# Altium PCB STB_LightBoard.PcbDoc (part 11 of 31)
Units mm, origin at the board's own origin, x right, y up, seen from the top; angles counter-clockwise.
Board outline 348 x 348 mm, 2 copper layers (Top Layer, Bottom Layer), stack 1.672 mm thick; 3807 components, 3391 nets, 11616 pads, 2553 vias.
Unrouted connection lines stored in the file: 68.
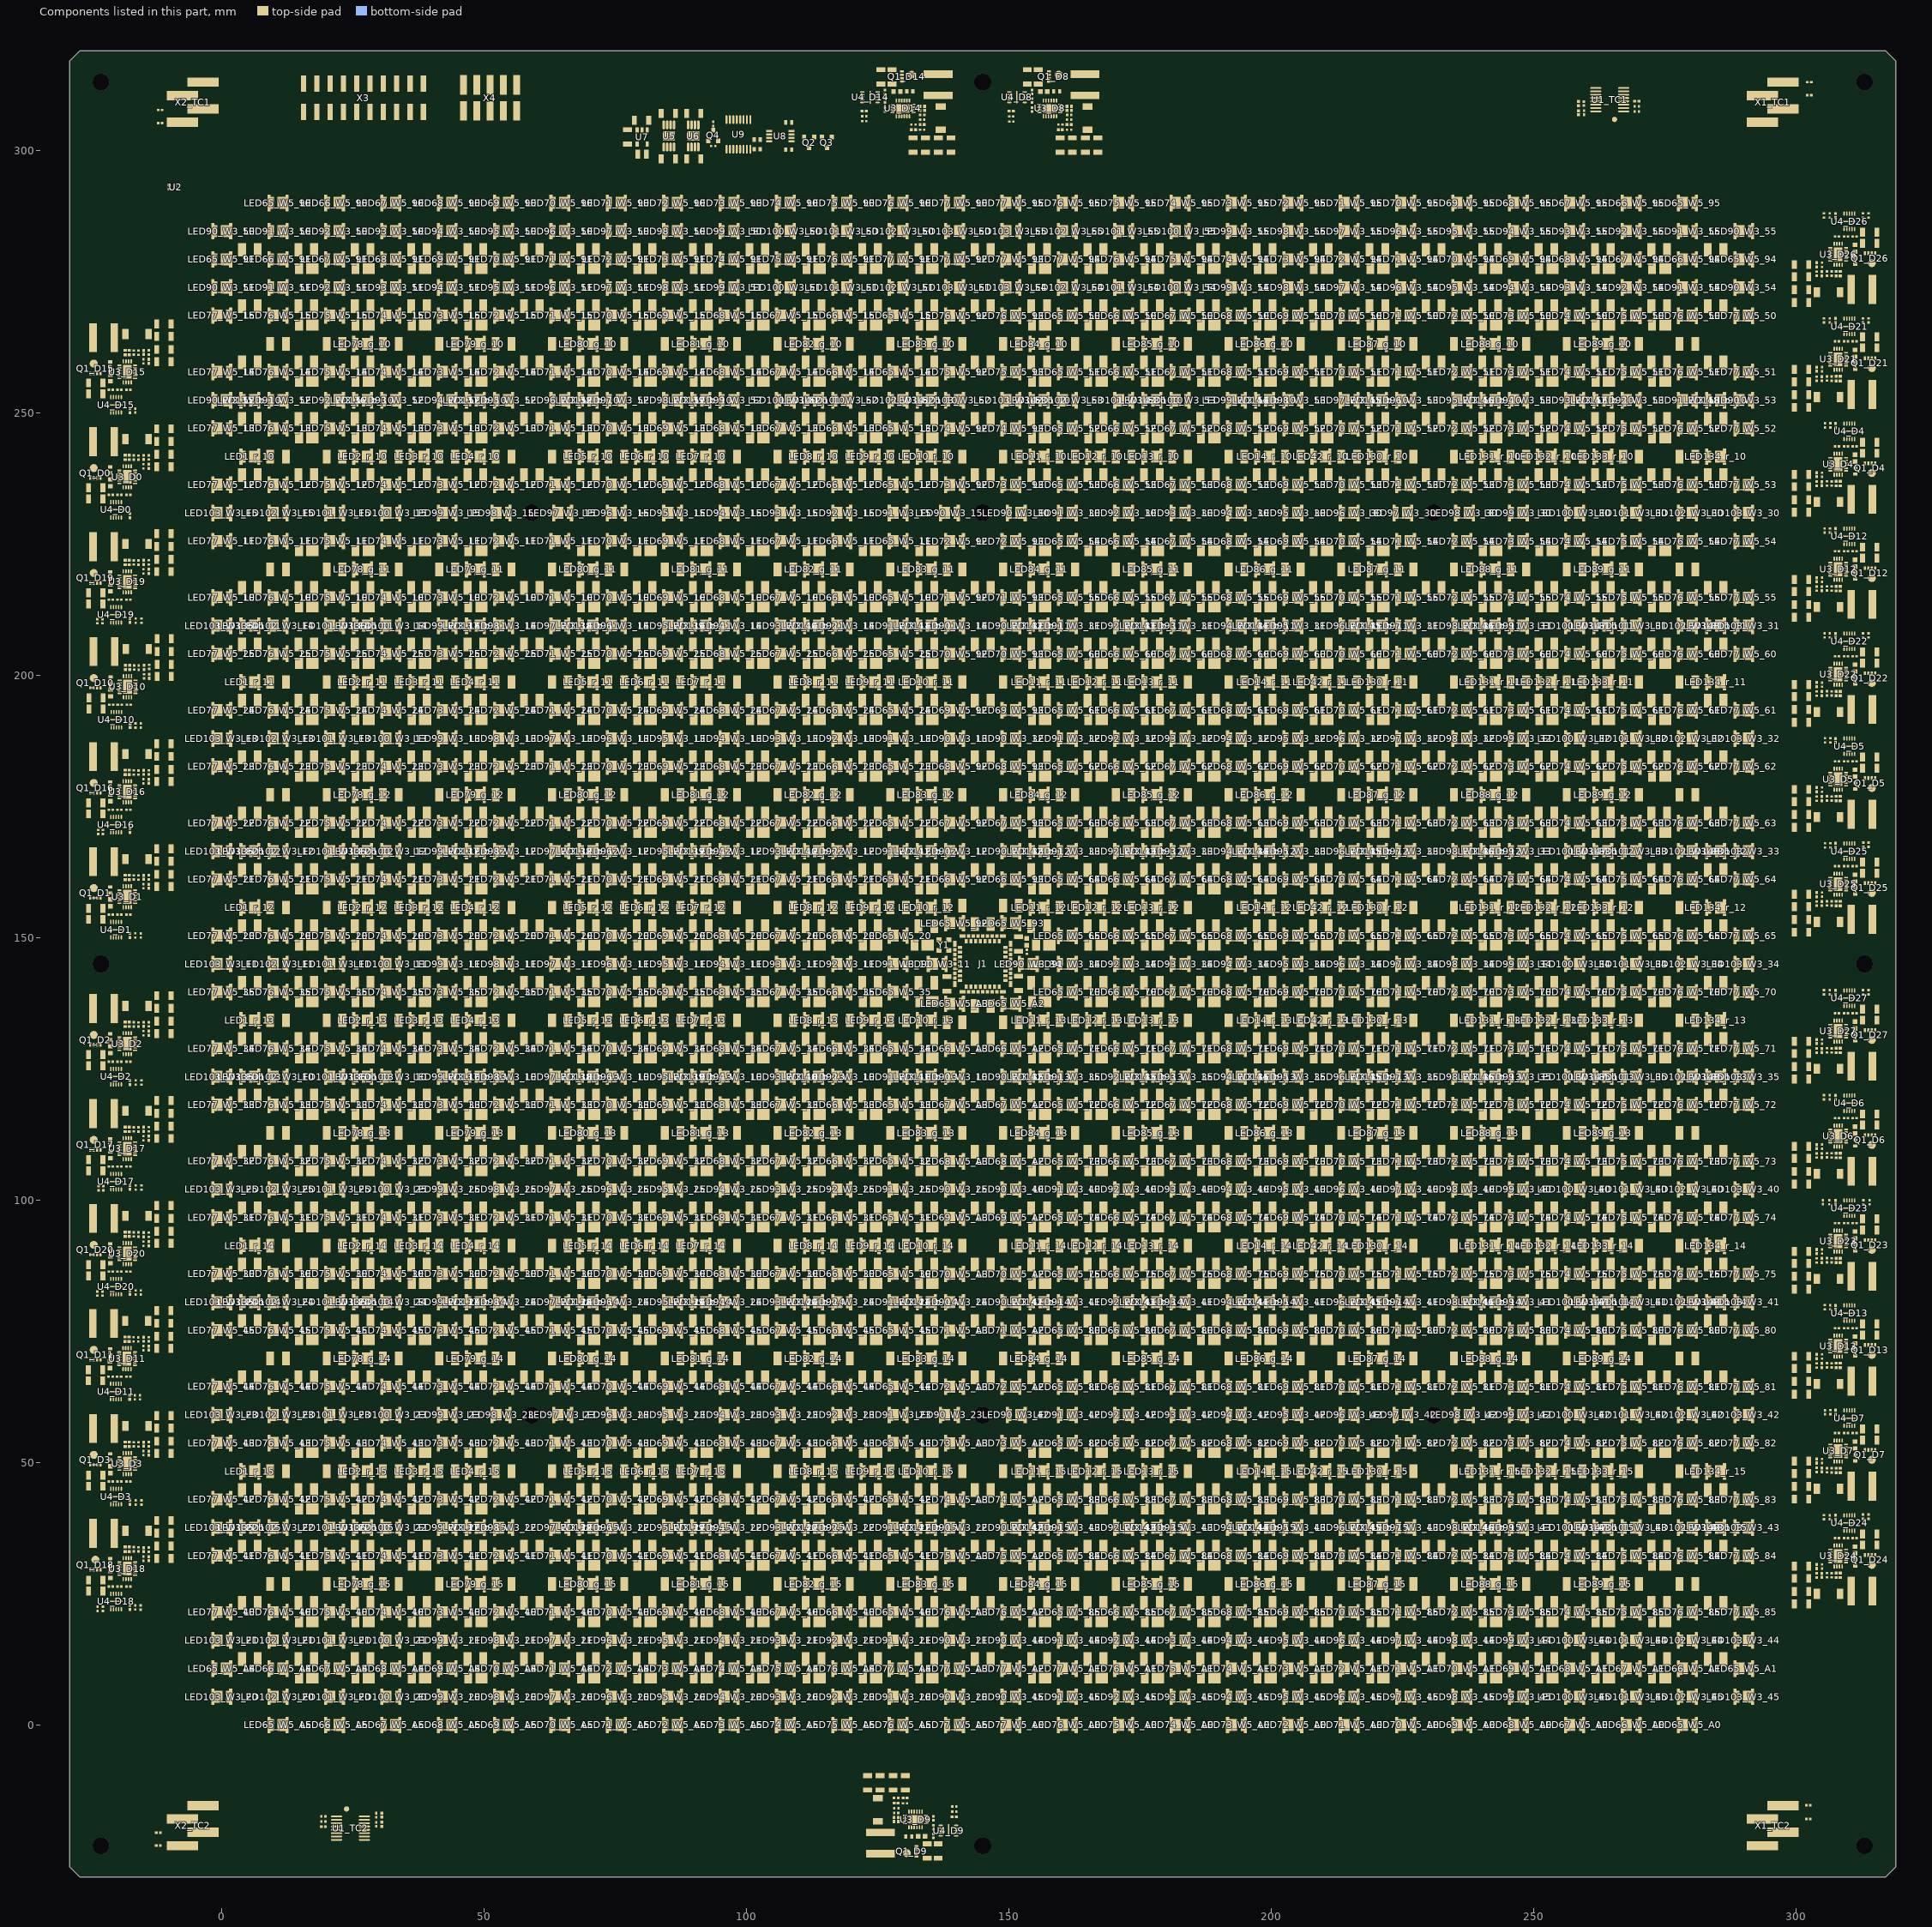
[diagram p11: the components of this part, seen from the top]

## Components (designator, comment, footprint, x,y, rotation, side; value= is the part's Value field where it differs from the comment) (continued)
R56_D8 "4k7" RESC1005X40X25LL05T10 154.389,311.125 r90 top value="4.7 kOhm" (schematic designator R56)
R56_D9 "4k7" RESC1005X40X25LL05T10 135.611,-21.125 r270 top value="4.7 kOhm" (schematic designator R56)
R56_D10 "4k7" RESC1005X40X25LL05T10 -21.067,194.389 r180 top value="4.7 kOhm" (schematic designator R56)
R56_D11 "4k7" RESC1005X40X25LL05T10 -21.167,66.389 r180 top value="4.7 kOhm" (schematic designator R56)
R56_D12 "4k7" RESC1005X40X25LL05T10 311.125,223.611 r0 top value="4.7 kOhm" (schematic designator R56)
R56_D13 "4k7" RESC1005X40X25LL05T10 311.125,75.611 r0 top value="4.7 kOhm" (schematic designator R56)
R56_D14 "4k7" RESC1005X40X25LL05T10 126.389,311.125 r90 top value="4.7 kOhm" (schematic designator R56)
R56_D15 "4k7" RESC1005X40X25LL05T10 -21.125,254.389 r180 top value="4.7 kOhm" (schematic designator R56)
R56_D16 "4k7" RESC1005X40X25LL05T10 -21.125,174.389 r180 top value="4.7 kOhm" (schematic designator R56)
R56_D17 "4k7" RESC1005X40X25LL05T10 -21.125,106.389 r180 top value="4.7 kOhm" (schematic designator R56)
R56_D18 "4k7" RESC1005X40X25LL05T10 -21.125,26.389 r180 top value="4.7 kOhm" (schematic designator R56)
R56_D19 "4k7" RESC1005X40X25LL05T10 -21.125,214.389 r180 top value="4.7 kOhm" (schematic designator R56)
R56_D20 "4k7" RESC1005X40X25LL05T10 -21.125,86.389 r180 top value="4.7 kOhm" (schematic designator R56)
R56_D21 "4k7" RESC1005X40X25LL05T10 311.125,263.611 r0 top value="4.7 kOhm" (schematic designator R56)
R56_D22 "4k7" RESC1005X40X25LL05T10 311.125,203.611 r0 top value="4.7 kOhm" (schematic designator R56)
R56_D23 "4k7" RESC1005X40X25LL05T10 311.125,95.611 r0 top value="4.7 kOhm" (schematic designator R56)
R56_D24 "4k7" RESC1005X40X25LL05T10 311.125,35.611 r0 top value="4.7 kOhm" (schematic designator R56)
R56_D25 "4k7" RESC1005X40X25LL05T10 311.125,163.611 r0 top value="4.7 kOhm" (schematic designator R56)
R56_D26 "4k7" RESC1005X40X25LL05T10 311.125,283.611 r0 top value="4.7 kOhm" (schematic designator R56)
R56_D27 "4k7" RESC1005X40X25LL05T10 311.125,135.611 r0 top value="4.7 kOhm" (schematic designator R56)
R57_D0 "4k7" RESC1005X40X25LL05T10 -19.5,234.389 r0 top value="4.7 kOhm" (schematic designator R57)
R57_D1 "4k7" RESC1005X40X25LL05T10 -19.5,154.389 r0 top value="4.7 kOhm" (schematic designator R57)
R57_D2 "4k7" RESC1005X40X25LL05T10 -19.5,126.389 r0 top value="4.7 kOhm" (schematic designator R57)
R57_D3 "4k7" RESC1005X40X25LL05T10 -19.5,46.389 r0 top value="4.7 kOhm" (schematic designator R57)
R57_D4 "4k7" RESC1005X40X25LL05T10 309.5,243.611 r180 top value="4.7 kOhm" (schematic designator R57)
R57_D5 "4k7" RESC1005X40X25LL05T10 309.5,183.611 r180 top value="4.7 kOhm" (schematic designator R57)
R57_D6 "4k7" RESC1005X40X25LL05T10 309.5,115.611 r180 top value="4.7 kOhm" (schematic designator R57)
R57_D7 "4k7" RESC1005X40X25LL05T10 309.5,55.611 r180 top value="4.7 kOhm" (schematic designator R57)
R57_D8 "4k7" RESC1005X40X25LL05T10 154.389,309.5 r270 top value="4.7 kOhm" (schematic designator R57)
R57_D9 "4k7" RESC1005X40X25LL05T10 135.611,-19.5 r90 top value="4.7 kOhm" (schematic designator R57)
R57_D10 "4k7" RESC1005X40X25LL05T10 -19.442,194.389 r0 top value="4.7 kOhm" (schematic designator R57)
R57_D11 "4k7" RESC1005X40X25LL05T10 -19.542,66.389 r0 top value="4.7 kOhm" (schematic designator R57)
R57_D12 "4k7" RESC1005X40X25LL05T10 309.5,223.611 r180 top value="4.7 kOhm" (schematic designator R57)
R57_D13 "4k7" RESC1005X40X25LL05T10 309.5,75.611 r180 top value="4.7 kOhm" (schematic designator R57)
R57_D14 "4k7" RESC1005X40X25LL05T10 126.389,309.5 r270 top value="4.7 kOhm" (schematic designator R57)
R57_D15 "4k7" RESC1005X40X25LL05T10 -19.5,254.389 r0 top value="4.7 kOhm" (schematic designator R57)
R57_D16 "4k7" RESC1005X40X25LL05T10 -19.5,174.389 r0 top value="4.7 kOhm" (schematic designator R57)
R57_D17 "4k7" RESC1005X40X25LL05T10 -19.5,106.389 r0 top value="4.7 kOhm" (schematic designator R57)
R57_D18 "4k7" RESC1005X40X25LL05T10 -19.5,26.389 r0 top value="4.7 kOhm" (schematic designator R57)
R57_D19 "4k7" RESC1005X40X25LL05T10 -19.5,214.389 r0 top value="4.7 kOhm" (schematic designator R57)
R57_D20 "4k7" RESC1005X40X25LL05T10 -19.5,86.389 r0 top value="4.7 kOhm" (schematic designator R57)
R57_D21 "4k7" RESC1005X40X25LL05T10 309.5,263.611 r180 top value="4.7 kOhm" (schematic designator R57)
R57_D22 "4k7" RESC1005X40X25LL05T10 309.5,203.611 r180 top value="4.7 kOhm" (schematic designator R57)
R57_D23 "4k7" RESC1005X40X25LL05T10 309.5,95.611 r180 top value="4.7 kOhm" (schematic designator R57)
R57_D24 "4k7" RESC1005X40X25LL05T10 309.5,35.611 r180 top value="4.7 kOhm" (schematic designator R57)
R57_D25 "4k7" RESC1005X40X25LL05T10 309.5,163.611 r180 top value="4.7 kOhm" (schematic designator R57)
R57_D26 "4k7" RESC1005X40X25LL05T10 309.5,283.611 r180 top value="4.7 kOhm" (schematic designator R57)
R57_D27 "4k7" RESC1005X40X25LL05T10 309.5,135.611 r180 top value="4.7 kOhm" (schematic designator R57)
R58_D0 "10k" RESC1005X40X25LL05T05 -16.75,241.479 r270 top value="10 kOhm" (schematic designator R58)
R58_D1 "10k" RESC1005X40X25LL05T05 -16.75,161.479 r270 top value="10 kOhm" (schematic designator R58)
R58_D2 "10k" RESC1005X40X25LL05T05 -16.75,133.479 r270 top value="10 kOhm" (schematic designator R58)
R58_D3 "10k" RESC1005X40X25LL05T05 -16.75,53.479 r270 top value="10 kOhm" (schematic designator R58)
R58_D4 "10k" RESC1005X40X25LL05T05 306.75,236.521 r90 top value="10 kOhm" (schematic designator R58)
R58_D5 "10k" RESC1005X40X25LL05T05 306.75,176.521 r90 top value="10 kOhm" (schematic designator R58)
R58_D6 "10k" RESC1005X40X25LL05T05 306.75,108.521 r90 top value="10 kOhm" (schematic designator R58)
R58_D7 "10k" RESC1005X40X25LL05T05 306.75,48.521 r90 top value="10 kOhm" (schematic designator R58)
R58_D8 "10k" RESC1005X40X25LL05T05 161.479,306.75 r180 top value="10 kOhm" (schematic designator R58)
R58_D9 "10k" RESC1005X40X25LL05T05 128.521,-16.75 r0 top value="10 kOhm" (schematic designator R58)
R58_D10 "10k" RESC1005X40X25LL05T05 -16.692,201.479 r270 top value="10 kOhm" (schematic designator R58)
R58_D11 "10k" RESC1005X40X25LL05T05 -16.792,73.479 r270 top value="10 kOhm" (schematic designator R58)
R58_D12 "10k" RESC1005X40X25LL05T05 306.75,216.521 r90 top value="10 kOhm" (schematic designator R58)
R58_D13 "10k" RESC1005X40X25LL05T05 306.75,68.521 r90 top value="10 kOhm" (schematic designator R58)
R58_D14 "10k" RESC1005X40X25LL05T05 133.479,306.75 r180 top value="10 kOhm" (schematic designator R58)
R58_D15 "10k" RESC1005X40X25LL05T05 -16.75,261.479 r270 top value="10 kOhm" (schematic designator R58)
R58_D16 "10k" RESC1005X40X25LL05T05 -16.75,181.479 r270 top value="10 kOhm" (schematic designator R58)
R58_D17 "10k" RESC1005X40X25LL05T05 -16.75,113.479 r270 top value="10 kOhm" (schematic designator R58)
R58_D18 "10k" RESC1005X40X25LL05T05 -16.75,33.479 r270 top value="10 kOhm" (schematic designator R58)
R58_D19 "10k" RESC1005X40X25LL05T05 -16.75,221.479 r270 top value="10 kOhm" (schematic designator R58)
R58_D20 "10k" RESC1005X40X25LL05T05 -16.75,93.479 r270 top value="10 kOhm" (schematic designator R58)
R58_D21 "10k" RESC1005X40X25LL05T05 306.75,256.521 r90 top value="10 kOhm" (schematic designator R58)
R58_D22 "10k" RESC1005X40X25LL05T05 306.75,196.521 r90 top value="10 kOhm" (schematic designator R58)
R58_D23 "10k" RESC1005X40X25LL05T05 306.75,88.521 r90 top value="10 kOhm" (schematic designator R58)
R58_D24 "10k" RESC1005X40X25LL05T05 306.75,28.521 r90 top value="10 kOhm" (schematic designator R58)
R58_D25 "10k" RESC1005X40X25LL05T05 306.75,156.521 r90 top value="10 kOhm" (schematic designator R58)
R58_D26 "10k" RESC1005X40X25LL05T05 306.75,276.521 r90 top value="10 kOhm" (schematic designator R58)
R58_D27 "10k" RESC1005X40X25LL05T05 306.75,128.521 r90 top value="10 kOhm" (schematic designator R58)
R59_D0 "8.2k" RESC1005X40X25LL05T05 -15.875,241.46 r270 top value="8.2 kOhm" (schematic designator R59)
R59_D1 "8.2k" RESC1005X40X25LL05T05 -15.875,161.46 r270 top value="8.2 kOhm" (schematic designator R59)
R59_D2 "8.2k" RESC1005X40X25LL05T05 -15.875,133.46 r270 top value="8.2 kOhm" (schematic designator R59)
R59_D3 "8.2k" RESC1005X40X25LL05T05 -15.875,53.46 r270 top value="8.2 kOhm" (schematic designator R59)
R59_D4 "8.2k" RESC1005X40X25LL05T05 305.875,236.54 r90 top value="8.2 kOhm" (schematic designator R59)
R59_D5 "8.2k" RESC1005X40X25LL05T05 305.875,176.539 r90 top value="8.2 kOhm" (schematic designator R59)
R59_D6 "8.2k" RESC1005X40X25LL05T05 305.875,108.54 r90 top value="8.2 kOhm" (schematic designator R59)
R59_D7 "8.2k" RESC1005X40X25LL05T05 305.875,48.54 r90 top value="8.2 kOhm" (schematic designator R59)
R59_D8 "8.2k" RESC1005X40X25LL05T05 161.46,305.875 r180 top value="8.2 kOhm" (schematic designator R59)
R59_D9 "8.2k" RESC1005X40X25LL05T05 128.54,-15.875 r0 top value="8.2 kOhm" (schematic designator R59)
R59_D10 "8.2k" RESC1005X40X25LL05T05 -15.817,201.46 r270 top value="8.2 kOhm" (schematic designator R59)
R59_D11 "8.2k" RESC1005X40X25LL05T05 -15.917,73.46 r270 top value="8.2 kOhm" (schematic designator R59)
R59_D12 "8.2k" RESC1005X40X25LL05T05 305.875,216.54 r90 top value="8.2 kOhm" (schematic designator R59)
R59_D13 "8.2k" RESC1005X40X25LL05T05 305.875,68.54 r90 top value="8.2 kOhm" (schematic designator R59)
R59_D14 "8.2k" RESC1005X40X25LL05T05 133.46,305.875 r180 top value="8.2 kOhm" (schematic designator R59)
R59_D15 "8.2k" RESC1005X40X25LL05T05 -15.875,261.46 r270 top value="8.2 kOhm" (schematic designator R59)
R59_D16 "8.2k" RESC1005X40X25LL05T05 -15.875,181.46 r270 top value="8.2 kOhm" (schematic designator R59)
R59_D17 "8.2k" RESC1005X40X25LL05T05 -15.875,113.46 r270 top value="8.2 kOhm" (schematic designator R59)
R59_D18 "8.2k" RESC1005X40X25LL05T05 -15.875,33.46 r270 top value="8.2 kOhm" (schematic designator R59)
R59_D19 "8.2k" RESC1005X40X25LL05T05 -15.875,221.46 r270 top value="8.2 kOhm" (schematic designator R59)
R59_D20 "8.2k" RESC1005X40X25LL05T05 -15.875,93.46 r270 top value="8.2 kOhm" (schematic designator R59)
R59_D21 "8.2k" RESC1005X40X25LL05T05 305.875,256.54 r90 top value="8.2 kOhm" (schematic designator R59)
R59_D22 "8.2k" RESC1005X40X25LL05T05 305.875,196.54 r90 top value="8.2 kOhm" (schematic designator R59)
R59_D23 "8.2k" RESC1005X40X25LL05T05 305.875,88.54 r90 top value="8.2 kOhm" (schematic designator R59)
R59_D24 "8.2k" RESC1005X40X25LL05T05 305.875,28.54 r90 top value="8.2 kOhm" (schematic designator R59)
R59_D25 "8.2k" RESC1005X40X25LL05T05 305.875,156.539 r90 top value="8.2 kOhm" (schematic designator R59)
R59_D26 "8.2k" RESC1005X40X25LL05T05 305.875,276.54 r90 top value="8.2 kOhm" (schematic designator R59)
R59_D27 "8.2k" RESC1005X40X25LL05T05 305.875,128.54 r90 top value="8.2 kOhm" (schematic designator R59)
R60_D0 "3k" RESC1005X40X25LL05T10 -17.75,234.389 r180 top value="3 kOhm" (schematic designator R60)
R60_D1 "3k" RESC1005X40X25LL05T10 -17.75,154.389 r180 top value="3 kOhm" (schematic designator R60)
R60_D2 "3k" RESC1005X40X25LL05T10 -17.75,126.389 r180 top value="3 kOhm" (schematic designator R60)
R60_D3 "3k" RESC1005X40X25LL05T10 -17.75,46.389 r180 top value="3 kOhm" (schematic designator R60)
R60_D4 "3k" RESC1005X40X25LL05T10 307.75,243.611 r0 top value="3 kOhm" (schematic designator R60)
R60_D5 "3k" RESC1005X40X25LL05T10 307.75,183.611 r0 top value="3 kOhm" (schematic designator R60)
R60_D6 "3k" RESC1005X40X25LL05T10 307.75,115.611 r0 top value="3 kOhm" (schematic designator R60)
R60_D7 "3k" RESC1005X40X25LL05T10 307.75,55.611 r0 top value="3 kOhm" (schematic designator R60)
R60_D8 "3k" RESC1005X40X25LL05T10 154.389,307.75 r90 top value="3 kOhm" (schematic designator R60)
R60_D9 "3k" RESC1005X40X25LL05T10 135.611,-17.75 r270 top value="3 kOhm" (schematic designator R60)
R60_D10 "3k" RESC1005X40X25LL05T10 -17.692,194.389 r180 top value="3 kOhm" (schematic designator R60)
R60_D11 "3k" RESC1005X40X25LL05T10 -17.792,66.389 r180 top value="3 kOhm" (schematic designator R60)
R60_D12 "3k" RESC1005X40X25LL05T10 307.75,223.611 r0 top value="3 kOhm" (schematic designator R60)
R60_D13 "3k" RESC1005X40X25LL05T10 307.75,75.611 r0 top value="3 kOhm" (schematic designator R60)
R60_D14 "3k" RESC1005X40X25LL05T10 126.389,307.75 r90 top value="3 kOhm" (schematic designator R60)
R60_D15 "3k" RESC1005X40X25LL05T10 -17.75,254.389 r180 top value="3 kOhm" (schematic designator R60)
R60_D16 "3k" RESC1005X40X25LL05T10 -17.75,174.389 r180 top value="3 kOhm" (schematic designator R60)
R60_D17 "3k" RESC1005X40X25LL05T10 -17.75,106.389 r180 top value="3 kOhm" (schematic designator R60)
R60_D18 "3k" RESC1005X40X25LL05T10 -17.75,26.389 r180 top value="3 kOhm" (schematic designator R60)
R60_D19 "3k" RESC1005X40X25LL05T10 -17.75,214.389 r180 top value="3 kOhm" (schematic designator R60)
R60_D20 "3k" RESC1005X40X25LL05T10 -17.75,86.389 r180 top value="3 kOhm" (schematic designator R60)
R60_D21 "3k" RESC1005X40X25LL05T10 307.75,263.611 r0 top value="3 kOhm" (schematic designator R60)
R60_D22 "3k" RESC1005X40X25LL05T10 307.75,203.611 r0 top value="3 kOhm" (schematic designator R60)
R60_D23 "3k" RESC1005X40X25LL05T10 307.75,95.611 r0 top value="3 kOhm" (schematic designator R60)
R60_D24 "3k" RESC1005X40X25LL05T10 307.75,35.611 r0 top value="3 kOhm" (schematic designator R60)
R60_D25 "3k" RESC1005X40X25LL05T10 307.75,163.611 r0 top value="3 kOhm" (schematic designator R60)
R60_D26 "3k" RESC1005X40X25LL05T10 307.75,283.611 r0 top value="3 kOhm" (schematic designator R60)
R60_D27 "3k" RESC1005X40X25LL05T10 307.75,135.611 r0 top value="3 kOhm" (schematic designator R60)
R61 "1M" RESC1005X40X25LL05T05 -16.4,210.4 r90 top value="1 MOhm"
R62 "1M" RESC1005X40X25LL05T05 -16.4,82.4 r90 top value="1 MOhm"
R63 "280k" RESC1005X40X25LL05T05 -15.3,210.4 r270 top value="280 kOhm"
R64 "392k" RESC1005X40X25LL05T05 -15.4,82.4 r270 top value="392 kOhm"
R65 "976k" RESC1005X40X25LL05T05 -22.7,210.3 r90 top value="976 kOhm"
R66 "976k" RESC1005X40X25LL05T05 -22.7,82.2 r90 top value="976 kOhm"
R67 "102k" RESC1005X40X25LL05T05 -23.7,210.3 r270 top value="102 kOhm"
R68 "102k" RESC1005X40X25LL05T05 -23.7,82.2 r270 top value="102 kOhm"
R69 "887k" RESC1005X40X25LL05T10 306.4,39.6 r270 top value="887 kOhm"
R70 "1M" RESC1005X40X25LL05T05 306.4,267.6 r270 top value="1 MOhm"
R71 "1M" RESC1005X40X25LL05T05 306.4,207.6 r270 top value="1 MOhm"
R72 "1M" RESC1005X40X25LL05T05 306.3,99.6 r270 top value="1 MOhm"
R73 "1M" RESC1005X40X25LL05T05 305.3,39.6 r90 top value="1 MOhm"
R74 "523k" RESC1005X40X25LL05T05 305.3,267.6 r90 top value="523 kOhm"
R75 "681k" RESC1005X40X25LL05T05 305.4,207.6 r90 top value="681 kOhm"
R76 "887k" RESC1005X40X25LL05T10 305.1,99.6 r90 top value="887 kOhm"
R77 "976k" RESC1005X40X25LL05T05 312.7,39.7 r270 top value="976 kOhm"
R78 "976k" RESC1005X40X25LL05T05 312.7,267.6 r270 top value="976 kOhm"
R79 "976k" RESC1005X40X25LL05T05 312.7,207.6 r270 top value="976 kOhm"
R80 "976k" RESC1005X40X25LL05T05 312.8,99.6 r270 top value="976 kOhm"
R81 "102k" RESC1005X40X25LL05T05 313.8,39.7 r90 top value="102 kOhm"
R82 "102k" RESC1005X40X25LL05T05 313.8,267.6 r90 top value="102 kOhm"
R83 "102k" RESC1005X40X25LL05T05 313.8,207.6 r90 top value="102 kOhm"
R84 "102k" RESC1005X40X25LL05T05 314,99.6 r90 top value="102 kOhm"
R85 "523k" RESC1005X40X25LL05T05 306.4,287.6 r270 top value="523 kOhm"
R86 "1M" RESC1005X40X25LL05T05 305.3,287.6 r90 top value="1 MOhm"
R87 "976k" RESC1005X40X25LL05T05 312.7,287.6 r270 top value="976 kOhm"
R88 "102k" RESC1005X40X25LL05T05 313.8,287.6 r90 top value="102 kOhm"
R89 "392k" RESC1005X40X25LL05T05 306.4,139.6 r270 top value="392 kOhm"
R90 "1M" RESC1005X40X25LL05T05 305.3,139.6 r90 top value="1 MOhm"
R91 "976k" RESC1005X40X25LL05T05 312.7,139.6 r270 top value="976 kOhm"
R92 "102k" RESC1005X40X25LL05T05 313.8,139.6 r90 top value="102 kOhm"
R93 "100k" RESC1005X40X25LL05T10 151.2,145 r90 top value="100 kOhm"
R94 "10k" RESC1005X40X25LL05T05 153.4,147.3 r90 top value="10 kOhm"
R95 "10k" RESC1005X40X25LL05T05 93.65,305.05 r270 top value="10 kOhm"
R96 "10k" RESC1005X40X25LL05T05 93.65,300.85 r0 top value="10 kOhm"
TP1 "testPoint_1mm" TP-SM-C-100 265.4,305.9 r0 top
TP2 "testPoint_1mm" TP-SM-C-100 23.8,-16 r90 top
U1_TC1 "MAX6615AEE+T" MAXM-E16+1_M 264.465,309.656 r0 top (schematic designator U1)
U1_TC2 "MAX6615AEE+T" MAXM-E16+1_M 24.535,-19.656 r180 top (schematic designator U1)
U2 "N24S64BC4DYT3G" "4-WLCSP (0.77x0.77)" -8.816,292.994 r90 top
U3_D0 "ISL78171ARZ-T7A" LT-UDC-20_N -18,237.8 r0 top (schematic designator U3)
U3_D1 "ISL78171ARZ-T7A" LT-UDC-20_N -18,157.8 r0 top (schematic designator U3)
U3_D2 "ISL78171ARZ-T7A" LT-UDC-20_N -18,129.8 r0 top (schematic designator U3)
U3_D3 "ISL78171ARZ-T7A" LT-UDC-20_N -18,49.8 r0 top (schematic designator U3)
U3_D4 "ISL78171ARZ-T7A" LT-UDC-20_N 308,240.2 r180 top (schematic designator U3)
U3_D5 "ISL78171ARZ-T7A" LT-UDC-20_N 308,180.2 r180 top (schematic designator U3)
U3_D6 "ISL78171ARZ-T7A" LT-UDC-20_N 308,112.2 r180 top (schematic designator U3)
U3_D7 "ISL78171ARZ-T7A" LT-UDC-20_N 308,52.2 r180 top (schematic designator U3)
U3_D8 "ISL78171ARZ-T7A" LT-UDC-20_N 157.8,308 r270 top (schematic designator U3)
U3_D9 "ISL78171ARZ-T7A" LT-UDC-20_N 132.2,-18 r90 top (schematic designator U3)
U3_D10 "ISL78171ARZ-T7A" LT-UDC-20_N -17.942,197.8 r0 top (schematic designator U3)
U3_D11 "ISL78171ARZ-T7A" LT-UDC-20_N -18.042,69.8 r0 top (schematic designator U3)
U3_D12 "ISL78171ARZ-T7A" LT-UDC-20_N 308,220.2 r180 top (schematic designator U3)
U3_D13 "ISL78171ARZ-T7A" LT-UDC-20_N 308,72.2 r180 top (schematic designator U3)
U3_D14 "ISL78171ARZ-T7A" LT-UDC-20_N 129.8,308 r270 top (schematic designator U3)
U3_D15 "ISL78171ARZ-T7A" LT-UDC-20_N -18,257.8 r0 top (schematic designator U3)
U3_D16 "ISL78171ARZ-T7A" LT-UDC-20_N -18,177.8 r0 top (schematic designator U3)
U3_D17 "ISL78171ARZ-T7A" LT-UDC-20_N -18,109.8 r0 top (schematic designator U3)
U3_D18 "ISL78171ARZ-T7A" LT-UDC-20_N -18,29.8 r0 top (schematic designator U3)
U3_D19 "ISL78171ARZ-T7A" LT-UDC-20_N -18,217.8 r0 top (schematic designator U3)
U3_D20 "ISL78171ARZ-T7A" LT-UDC-20_N -18,89.8 r0 top (schematic designator U3)
U3_D21 "ISL78171ARZ-T7A" LT-UDC-20_N 308,260.2 r180 top (schematic designator U3)
U3_D22 "ISL78171ARZ-T7A" LT-UDC-20_N 308,200.2 r180 top (schematic designator U3)
U3_D23 "ISL78171ARZ-T7A" LT-UDC-20_N 308,92.2 r180 top (schematic designator U3)
U3_D24 "ISL78171ARZ-T7A" LT-UDC-20_N 308,32.2 r180 top (schematic designator U3)
U3_D25 "ISL78171ARZ-T7A" LT-UDC-20_N 308,160.2 r180 top (schematic designator U3)
U3_D26 "ISL78171ARZ-T7A" LT-UDC-20_N 308,280.2 r180 top (schematic designator U3)
U3_D27 "ISL78171ARZ-T7A" LT-UDC-20_N 308,132.2 r180 top (schematic designator U3)
U4_D0 "LTC4316IDD#TRPBF" DFN10(3x3)_N -20.125,231.525 r90 top (schematic designator U4)
U4_D1 "LTC4316IDD#TRPBF" DFN10(3x3)_N -20.125,151.525 r90 top (schematic designator U4)